# Altium PCB drone.PcbDoc
Units mm, origin at the board's own origin, x right, y up, seen from the top; angles counter-clockwise.
Board outline 72 x 72 mm, 2 copper layers (Top Layer, Bottom Layer); 11 components, 15 nets, 72 pads, 10 vias.
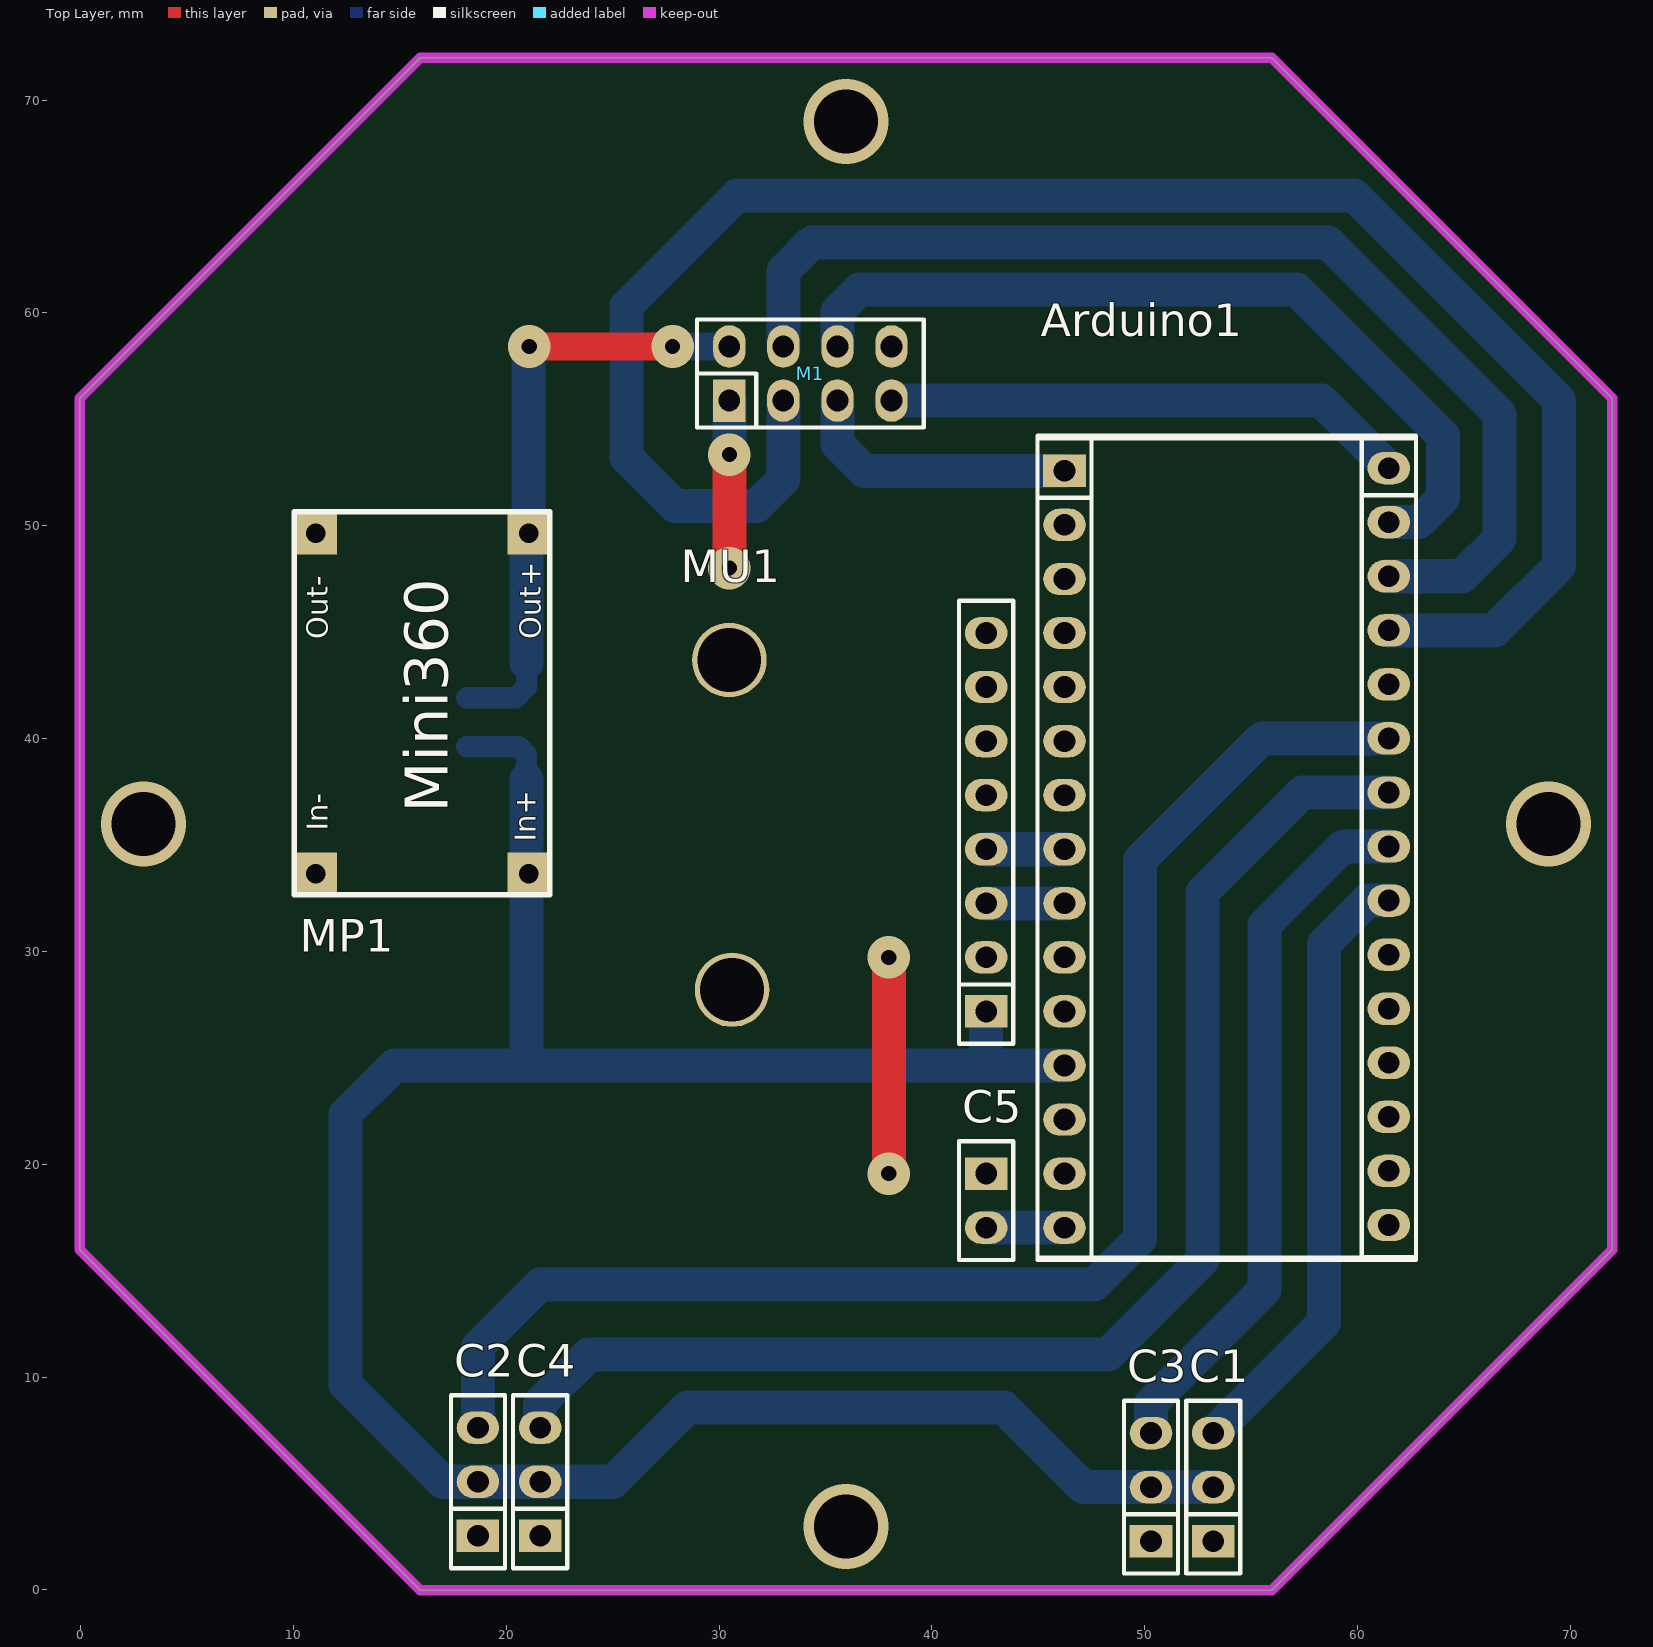
[diagram p0: Top Layer view]
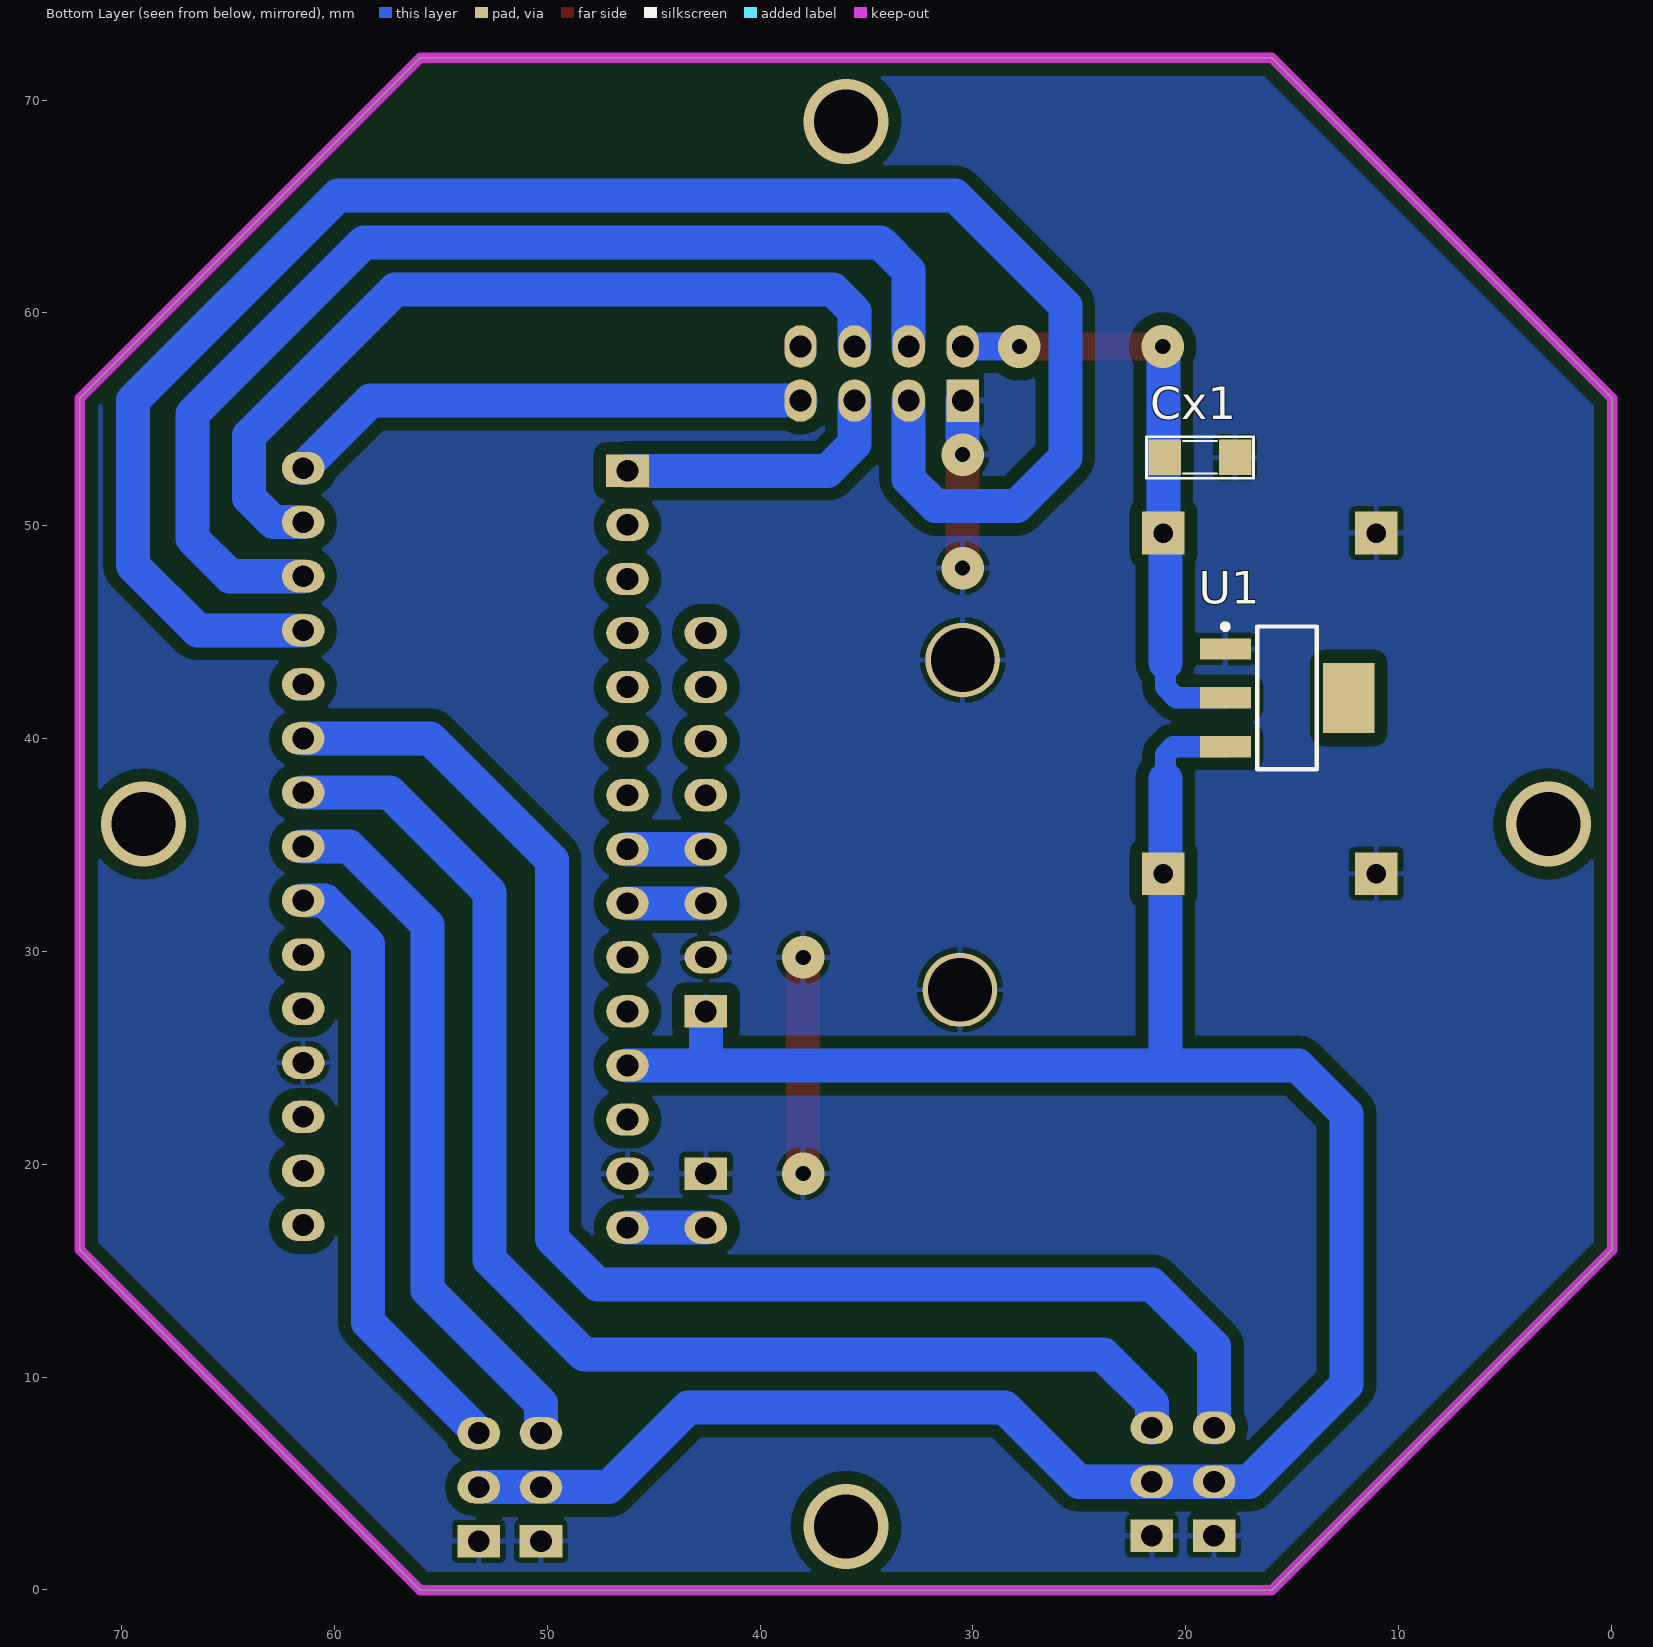
[diagram p1: Bottom Layer view, seen from below]

## Layer stack, top to bottom
Top Solder: solder mask 0.0102, Solder Resist, Dk 3.5
Top Layer: signal copper 0.0356
Dielectric 1: dielectric 0.32, FR-4, Dk 4.8
Bottom Layer: signal copper 0.0356
Bottom Solder: solder mask 0.0102, Solder Resist, Dk 3.5

## Board outline
-0.038,15.984 -0.038,55.984 15.962,71.984 55.962,71.984 71.962,55.984 71.962,15.984 55.962,-0.016 15.962,-0.016

## Design rules (kind name [scope] priority, off if disabled: settings)
Clearance [All] p1: gap=0.6 ignorepadtopadclearanceinfootprint=TRUE
PolygonConnect [All] p1: connectstyle=Relief reliefconductorwidth=0.254 reliefentries=4 polygonreliefangle="90 Angle" airgapwidth=0.254
RoutingVias [All] p1: holewidth=0.711 width=1.27 viastyle="Through Hole" minholewidth=0.711 minwidth=1.27 maxholewidth=0.711 maxwidth=1.27
SolderMaskExpansion [All] p1: expansion=0.102
Width [All] p1: maxlimit=3 minlimit=1 preferedwidth=1.6
30 further rules are at their usual default settings.

## Components (designator, comment, footprint, x,y, rotation, side; value= is the part's Value field where it differs from the comment)
Arduino1 "Arduino Nano" "Arduino Nano" 53.086,34.671 r180 top value="Cau 1A"
C1 "JP3" JP3-C1T 53.213,2.286 r90 top
C2 "JP3" JP3-C1T 18.669,2.54 r90 top
C3 "JP3" JP3-C1T 50.292,2.286 r90 top
C4 "JP3" JP3-C1T 21.59,2.54 r90 top
C5 "JP2" JP2-C1T 42.545,19.558 r270 top
Cx1 "XXpF" CN-SMD-1206 19.304,53.213 r0 bottom value=33pF
M1 "NRF24L01" NRF24L01 34.29,57.15 r0 top
MP1 "MP2307 DC-DC Switching Buck Step-Down Module" MINI360 22.118,32.53 r90 top
MU1 "MPU6050" MPU6050 35.052,32.766 r90 top
U1 "LM1117-3.3V" SOT223 15.24,41.91 r270 bottom

## Footprints (in the part's own frame and the unit in brackets; to place one, negate y for a bottom-side part, rotate by r counter-clockwise, add the part's x,y. Pads: shape width x height; smd on the part's side, far side on the other; paste and mask are expansions set on the pad)
"Arduino Nano" [mm]
  oval 2x1.52 hole 1.02: 3V3(6.858,-15.367) 5V(6.858,10.033) A0(6.858,-10.287) A1(6.858,-7.747) A2(6.858,-5.207) A3(6.858,-2.667) A4(6.858,-0.127) A5(6.858,2.413) A6(6.858,4.953) A7(6.858,7.493) D2(-8.382,7.366) D3(-8.382,4.826) D4(-8.382,2.286) D5(-8.382,-0.254) D6(-8.382,-2.794) D7(-8.382,-5.334) D8(-8.382,-7.874) D9(-8.382,-10.414) D10(-8.382,-12.954) D11(-8.382,-15.494) D12(-8.382,-18.034) GND(-8.382,9.906) GND(6.858,15.113) REF(6.858,-12.827) RST(-8.382,12.446) RST(6.858,12.573) RX0(-8.382,14.986) TX1(-8.382,17.526) VIN(6.858,17.653)
  rect 2x1.52 hole 1.02: D13(6.858,-17.907)
  silkscreen extent -9.65,-19.55 8.13,19.18, body extent -9.65,-23.48 8.14,21.44, height 21.18
CN-SMD-1206 [mil]
  rect 60x65 smd: 1(-64,0) 2(66,0)
  silkscreen extent -98,-38 100,39, body extent -63,-31 63,31, height 40
JP2-C1T [mm] "2 row, straight, gold plating"
  rect 1.52x2 hole 1.02: 1(0,0)
  oval 1.52x2 hole 1.02: 2(2.54,0)
  silkscreen extent -1.52,-1.27 4.06,1.27, body extent -1.52,-1.25 4.06,1.25, height 8.51
JP3-C1T [mm] "3 row, straight, gold plating"
  rect 1.52x2 hole 1.02: 1(0,0)
  oval 1.52x2 hole 1.02: 2(2.54,0) 3(5.08,0)
  silkscreen extent -1.52,-1.27 6.6,1.27, body extent -1.52,-1.25 6.6,1.25, height 8.51
MINI360 [mm]
  rect 2.002x2.002 hole 0.914: 1(1.125,11.069) 2(1.125,1.069) 3(17.125,1.069) 4(17.125,11.069)
  silkscreen extent 0.12,0.07 18.12,12.07
MPU6050 [mm]
  rect 1.52x2 hole 1.02: 1(-5.588,-7.493)
  round 3.5 hole 3: 2(-4.572,4.445) 2(10.922,4.572)
  oval 1.52x2 hole 1.02: 2(-3.048,-7.493) 3(-0.508,-7.493) 4(2.032,-7.493) 5(4.572,-7.493) 6(7.112,-7.493) 7(9.652,-7.493) 8(12.192,-7.493)
  silkscreen extent -7.11,-8.76 13.71,-6.22, body extent -7.37,-8.76 13.74,7.11, height 14.54
NRF24L01 [mm]
  rect 1.52x2 hole 1.02: 1(-3.81,-1.27)
  oval 1.52x2 hole 1.02: 2(-1.27,-1.27) 3(1.27,-1.27) 4(3.81,-1.27) 5(3.81,1.27) 6(1.27,1.27) 7(-1.27,1.27) 8(-3.81,1.27)
  silkscreen extent -5.33,-2.54 5.33,2.54, body extent -5.85,-2.79 9.15,26.21, height 15.4
SOT223 [mm]
  rect 1x2.4 smd: 1(-2.3,-2.9) 2(0,-2.9) 3(2.3,-2.9)
  rect 3.3x2.4 smd: 4(0,2.9)
  silkscreen extent -3.47,-3.03 3.35,1.4, body extent -3.25,-3.56 3.25,3.4, height 1.68

## Part data
Arduino1: "Arduino NANO", ="Cau 5A"
C1 C2 C3 C4: "WR-PHD 2.54 mm Angled Socket Header", Manufacturer="Würth Elektronik eiSos GmbH", partNo=613003143121, ComponentLink1 Description=Manufacturer, ComponentLink1URL=http://www.we-online.com, ComponentLink2 Description=Datasheet, ComponentLink2URL=http://katalog.we-online.de/em/datasheet/6130xx143121.pdf, Created by="Karrer Zheng", Created Date="29 March 2013", NoPins=03
C5: "WR-PHD 2.54 mm Angled Socket Header", Manufacturer="Würth Elektronik eiSos GmbH", partNo=613002143121, ComponentLink1 Description=Manufacturer, ComponentLink1URL=http://www.we-online.com, ComponentLink2 Description=Datasheet, ComponentLink2URL=http://katalog.we-online.de/em/datasheet/6130xx143121.pdf, Created by="Karrer Zheng", Created Date="29 March 2013", NoPins=02
Cx1: library part CN
MP1: library part "MP2307 Module"
MU1: Manufacturer="Würth Elektronik eiSos GmbH", partNo=613004143121, ComponentLink1 Description=Manufacturer, ComponentLink1URL=http://www.we-online.com, ComponentLink2 Description=Datasheet, ComponentLink2URL=http://katalog.we-online.de/em/datasheet/6130xx143121.pdf, Created by="Karrer Zheng", Created Date="29 March 2013", NoPins=04
U1: library part LM1117, "800mA Low-Dropout Linear Regulator", Creator="Nguyen Ba Bien", Website=http://group3i.net

## Via types
v1: diameter 2, hole 0.711, Top Layer to Bottom Layer, 6 vias
v2: diameter 4, hole 3, Top Layer to Bottom Layer, 4 vias

## Nets (pads, with @x,y where several pads share a name; then routed paths per layer and width w, separated by ;. In a path a pad name is that pad's centre, name@x,y a point inside that pad or via, vN(x,y) a via of type N, cw(c..) or ccw(c..) an arc to the next point about the centre after c; other vN are vias at no path point)
+5: Arduino1.5V C1.2 C2.2 C3.2 C4.2 MP1.2 MU1.1 U1.3 | length 113.1
  Bottom Layer w1: U1.3 20.588,39.61 20.955,39.243 20.955,38.1
  Bottom Layer w1.6: 20.955,24.765 20.955,38.1 ; MU1.1 42.545,24.765 42.672,24.638 ; Arduino1.5V 42.672,24.638 ; C1.2 C3.2 47.117,4.826 43.375,8.568 28.507,8.568 25.019,5.08 C4.2 C2.2 17.018,5.08 12.446,9.652 12.446,22.352 14.732,24.638 42.672,24.638
CE: Arduino1.D9 M1.2 | length 86.6
  Bottom Layer w1.6: M1.2 33.02,52.197 31.75,50.927 27.94,50.927 25.654,53.213 25.654,60.325 30.843,65.514 59.835,65.514 69.469,55.88 69.469,48.133 66.421,45.085 Arduino1.D9
CLK: Arduino1.D13 M1.3 | length 13.2
  Bottom Layer w1.6: M1.3 35.56,53.848 36.83,52.578 Arduino1.D13
CSN: Arduino1.D10 M1.7 | length 52.9
  Bottom Layer w1.6: M1.7 33.02,61.976 34.358,63.314 58.606,63.314 66.675,55.245 66.675,49.403 64.897,47.625 Arduino1.D10
GND: Arduino1.GND C1.1 C2.1 C3.1 C4.1 C5.1 Cx1.1 M1.1 MP1.1 MP1.4 MU1.2 U1.1 | length 18
  Top Layer w1.6: v1(30.48,48.006) v1(30.48,53.34) ; v1(37.973,19.558) v1(37.973,29.718)
  Bottom Layer w1.6: v1(30.48,53.34) M1.1
LB: Arduino1.D5 C3.3 | length 33.5
  Bottom Layer w1.6: C3.3 50.292,8.763 55.626,14.097 55.626,31.242 59.309,34.925 Arduino1.D5
LF: Arduino1.D4 C1.3 | length 29
  Bottom Layer w1.6: C1.3 58.42,12.573 58.42,30.353 60.452,32.385 Arduino1.D4
MISO: Arduino1.D12 M1.4 | length 24.7
  Bottom Layer w1.6: M1.4 58.293,55.88 Arduino1.D12
MOSI: Arduino1.D11 M1.6 | length 39.3
  Bottom Layer w1.6: M1.6 35.56,60.071 36.576,61.087 57.15,61.087 64.008,54.229 64.008,51.308 62.865,50.165 Arduino1.D11
NetArduino1_A4: Arduino1.A4 MU1.4 | length 3.7
  Bottom Layer w1.6: MU1.4 Arduino1.A4
NetArduino1_A5: Arduino1.A5 MU1.3 | length 3.7
  Bottom Layer w1.6: MU1.3 Arduino1.A5
NetCx1_2: Cx1.2 M1.8 MP1.3 U1.2 | length 28.5
  Top Layer w1.3: v1(21.082,58.42) v1(27.813,58.42)
  Bottom Layer w1: U1.2 20.447,41.91 20.955,42.418 20.955,43.561
  Bottom Layer w1.3: v1(27.813,58.42) M1.8
  Bottom Layer w1.6: 20.955,43.561 20.955,49.561 MP1.3 v1@21.049,58.42
RB: Arduino1.D6 C4.3 | length 63
  Bottom Layer w1.6: C4.3 21.59,8.763 23.876,11.049 48.26,11.049 52.705,15.494 52.705,32.766 57.404,37.465 Arduino1.D6
RF: Arduino1.D7 C2.3 | length 68.9
  Bottom Layer w1.6: C2.3 18.669,11.43 21.59,14.351 47.625,14.351 49.784,16.51 49.784,34.29 55.499,40.005 Arduino1.D7
VCC: Arduino1.VIN C5.2 | length 3.7
  Bottom Layer w1.6: C5.2 Arduino1.VIN
pads on no net: Arduino1.3V3 Arduino1.A0 Arduino1.A1 Arduino1.A2 Arduino1.A3 Arduino1.A6 Arduino1.A7 Arduino1.D2 Arduino1.D3 Arduino1.D8 Arduino1.REF Arduino1.RST Arduino1.RX0 Arduino1.TX1 M1.5 MU1.5 MU1.6 MU1.7 MU1.8 U1.4
copper on no net: | length 0.1
  Bottom Layer w0.254: v2@68.834,36.112 v2@68.834,36.195
  other v2: 35.962,2.984 2.962,35.984 68.962,35.984 35.962,68.984

## Polygon pours and split planes (outlines as drawn)
GND on Bottom Layer "GND_L02_P010" (solid, remove dead copper, pour order 10): 15.962,71.984 55.962,71.984 55.962,71.753 71.962,55.753 71.962,15.984 55.962,-0.016 15.962,-0.016 -0.038,15.984 -0.038,55.984

## Keep-outs
Keep-Out Layer:
  the board outline again, w0.508

## Text inside footprints (layer, text, board x,y; h text height)
MP1: Top Overlay "Mini360" at 17.248,36.501 h2.03 r90; Top Overlay "Out-" at 11.617,44.655 h1 r90; Top Overlay "Out+" at 21.618,44.655 h1 r90; Top Overlay "In+" at 21.39,35.154 h1 r90; Top Overlay "In-" at 11.617,35.655 h1 r90